# Altium PCB DTU_V1.0.PcbDoc (part 1 of 3) (continued)
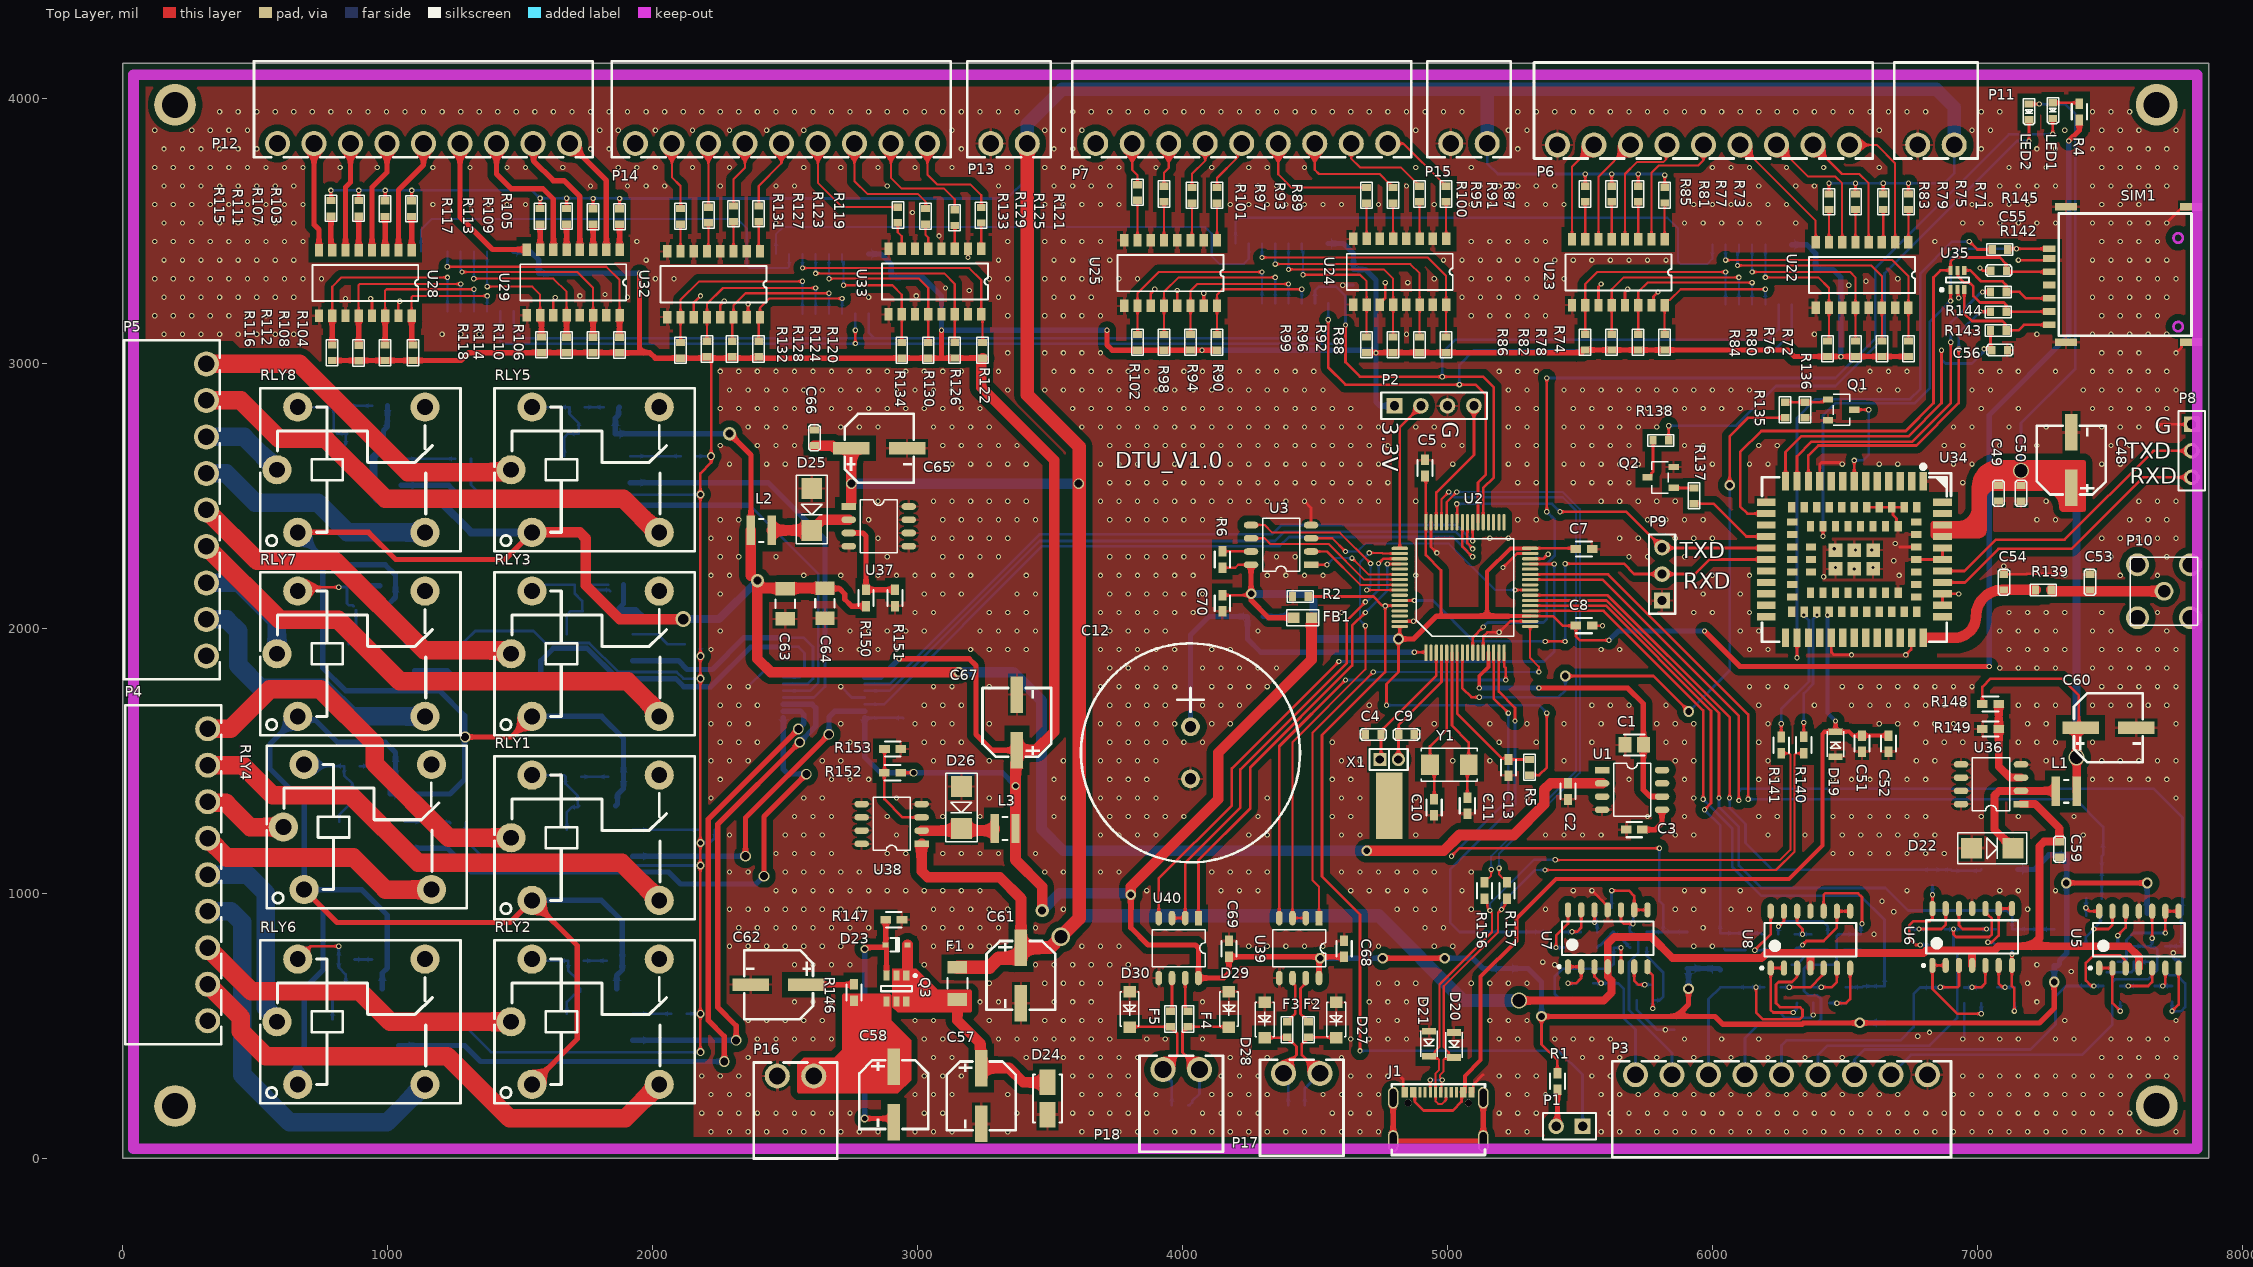
[diagram p0: Top Layer view]
## Components (designator, comment, footprint, x,y, rotation, side; value= is the part's Value field where it differs from the comment) (continued)
R131 "3.3K" 0603R 2105,3525.94 r90 top
R132 "5.1K" 0603R 2105,3020 r90 top
R133 "3.3K" 0603R 2925,3530.94 r90 top
R134 "5.1K" 0603R 2940,3020 r90 top
R135 "1K/1%" 0603R 6275,2795 r90 top value=1K
R136 "47K" 0603r 6350,2795 r90 top
R137 "1K/1%" 0603r 5930,2470.94 r90 top value=1K
R138 "1K/1%" 0603R 5835,2710 r180 top value=1K
R139 "0" 0603r 7220,2145 r0 top
R140 "0" RESC1608X055N_0603 6345,1560 r90 top
R141 "0" RESC1608X055N_0603 6260,1559.02 r90 top
R142 "10" 0603r 7109.06,3270 r180 top value=10R
R143 "10" 0603r 7109.06,3125 r180 top value=10R
R144 "10" 0603r 7109.06,3195 r180 top value=10R
R145 "10" 0603r 7115,3430 r180 top value=10R
R146 "100" RESC1608X055N_0603 2760,625 r90 top
R147 "16.9k/1%" RESC1608X055N_0603 2910,900 r180 top value=16.9k
R148 "2.4k/1%" RESC1608X055N_0603 7050,1715 r180 top
R149 "1k/1%" RESC1608X055N_0603 7050,1620 r0 top
R150 "4k/1%" RESC1608X055N_0603 2805,2115 r270 top
R151 "1k/1%" RESC1608X055N_0603 2915,2115 r90 top
R152 "1.69k/1%" RESC1608X055N_0603 2905,1455 r0 top
R153 "1k/1%" RESC1608X055N_0603 2905.98,1545 r180 top
R154 "120" RESC1608X055N_0603 4430,200 r180 bottom
R155 "120" RESC1608X055N_0603 3990,200 r180 bottom
R156 "0" RESC1608X055N_0603 5140,1010 r90 top
R157 "0" RESC1608X055N_0603 5225,1010 r90 top
RLY1 "SRD-05VDC-SL-C" RELAY-TH_SRD-XXVDC-XL-C 1745,1209.59 r0 top
RLY2 "SRD-05VDC-SL-C" RELAY-TH_SRD-XXVDC-XL-C 1745,515 r0 top
RLY3 "SRD-05VDC-SL-C" RELAY-TH_SRD-XXVDC-XL-C 1745,1904.19 r0 top
RLY4 "SRD-05VDC-SL-C" RELAY-TH_SRD-XXVDC-XL-C 885,1250 r0 top
RLY5 "SRD-05VDC-SL-C" RELAY-TH_SRD-XXVDC-XL-C 1745,2598.78 r0 top
RLY6 "SRD-05VDC-SL-C" RELAY-TH_SRD-XXVDC-XL-C 860.79,515 r0 top
RLY7 "SRD-05VDC-SL-C" RELAY-TH_SRD-XXVDC-XL-C 860.79,1904.19 r0 top
RLY8 "SRD-05VDC-SL-C" RELAY-TH_SRD-XXVDC-XL-C 860.79,2598.78 r0 top
SIM1 "XKNANO-113" "Nano SIM" 7271.42,3433.15 r90 top
U1 "REF5030ID" SO-8 5583.62,1465 r0 top
U2 "STM32F412RET6" LQFP-64 4918.43,1908.46 r90 top
U3 "W25Q128JVSIQ" so-8 4485,2240 r180 top
U5 "MC33079DG" SOP-14_N 7610,825 r90 top
U6 "MC33079DG" SOP-14_N 6980.71,835 r90 top
U7 "MC33079DG" SOP-14_N 5605,830 r90 top
U8 "MC33079DG" SOP-14_N 6370,825 r90 top
U13 "SN74HC595DBR" SSOP16 2550,1645 r0 bottom
U14 "AQY210S" sop4 1915,2650 r180 bottom
U15 "AQY210S" sop4 1925,1240 r180 bottom
U16 "AQY210S" sop4 1050,2640 r180 bottom
U17 "AQY210S" sop4 1065,1270 r180 bottom
U18 "AQY210S" sop4 1925,1978 r180 bottom
U19 "AQY210S" sop4 1040,525 r180 bottom
U20 "AQY210S" sop4 1102.09,1940 r180 bottom
U21 "AQY210S" sop4 1925,545 r180 bottom
U22 "TLP291-4" SOP16-T 6740,3458.03 r270 top
U23 "TLP291-4" SOP16-T 5820,3468.03 r270 top
U24 "TLP291-4" SOP16-T 4995,3470 r270 top
U25 "TLP291-4" SOP16-T 4130,3465 r270 top
U26 "74HC165D,653" SOP-16_L10.0-W3.9-P1.27-LS6.0-BL 6125,3335 r180 bottom
U27 "74HC165D,653" SOP-16_L10.0-W3.9-P1.27-LS6.0-BL 4375,3340 r180 bottom
U28 "TLP291-4" SOP16-T 1090,3428.03 r270 top
U29 "TLP291-4" SOP16-T 1875,3430 r270 top
U30 "74HC165D,653" SOP-16_L10.0-W3.9-P1.27-LS6.0-BL 1300,3310 r180 bottom
U31 "74HC165D,653" SOP-16_L10.0-W3.9-P1.27-LS6.0-BL 2640,3300 r180 bottom
U32 "TLP291-4" SOP16-T 2405,3423.03 r270 top
U33 "TLP291-4" SOP16-T 3240,3433.03 r270 top
U34 "EC800ECNNQ-N03-SNNSA" LCC-LGA-109_L17.7-W15.8-P1.10_MC661 6535.75,2260 r270 top
U35 "SMF05C" sc70-6l 6925,3315 r90 top
U36 "XL1509-5.0" so-8 7165,1336.62 r180 top
U37 "XL1509-5.0" so-8 2740,2460 r0 top
U38 "XL1509-5.0" so-8 3015,1186.62 r180 top
U39 "SIT3088" so-8 4515,906.38 r270 top
U40 "SIT3088" so-8 4060,906.38 r270 top
X1 "32768" A 4745,1505 r0 top
Y1 "X50328MSB2GI" CRAY_5032 4934.33,1485 r0 top

## Footprints (in the part's own frame and the unit in brackets; to place one, negate y for a bottom-side part, rotate by r counter-clockwise, add the part's x,y. Pads: shape width x height; smd on the part's side, far side on the other; paste and mask are expansions set on the pad)
0603C [mm]
  rect 0.7x0.85 smd: 1(0,0) 2(1.5,0)
  silkscreen extent -0.5,-0.55 2,0.55
0603c [mm]
  rect 0.7x0.85 smd: 1(0,0) 2(1.5,0)
  silkscreen extent -0.5,-0.55 2,0.55
0603LED [mm]
  rect 0.7x0.85 smd: 1(0,0) 2(1.5,0)
  silkscreen extent -0.5,-0.55 2,0.55
0603led [mm]
  rect 0.7x0.85 smd: 1(0,0) 2(1.5,0)
  silkscreen extent -0.5,-0.55 2,0.55
0603R [mm]
  rect 0.7x0.85 smd: 1(0,0) 2(1.5,0)
  silkscreen extent -0.5,-0.55 2,0.55
0603r [mm]
  rect 0.7x0.85 smd: 1(0,0) 2(1.5,0)
  silkscreen extent -0.5,-0.55 2,0.55
A [mil]
  round 50 hole 32: 1(70,0)
  rect 50x50 hole 32: 2(0,0)
  rect 100x250 smd: 3(34.37,-175)
  silkscreen extent -40,-40 105,40
CAP-SMD_BD6.3-L6.5-W6.5-LS7.0-FD [mm]
  rect 3.5x1.2 smd: 1(-2.67,0) 2(2.67,0)
  silkscreen extent -3.3,-3.3 3.3,3.3
CAP-TH_BD21.0-P5.00-D0.8_CENXXX-CF [mm]
  round 1.8 hole 1.1 paste-2539.97 mask+0.05: 1(-2.5,0) 2(2.5,0)
  silkscreen extent -10.5,-10.5 10.5,10.5
CAPC1608X092N_0603 [mil] "Chip Capacitor, 0603"
  round 10 on Mech3: 0(0,0)
  rect 40x30 smd: 1(-30.98,0) 2(30,0)
  silkscreen extent -30,-29 30,29, body extent -31,-16 31,16, height 36
CAPC2012X127N_0805 [mm] "Chip Capacitor, 0805"
  round 0.254 on Mech3: 0(0,0)
  rect 1.25x1.5 smd: 1(-0.875,0) 2(0.875,0)
  silkscreen extent -1,-1 1,1, body extent -1,-0.6 1,0.6, height 1.27
CAPC3216X156N_1206 [mm] "Chip Capacitor, 1206"
  round 0.254 on Mech3: 0(0,0)
  rect 1.3x1.85 smd: 1(-1.45,0) 2(1.45,0)
  silkscreen extent -0.4,-0.92 0.4,0.93, body extent -1.6,-0.8 1.6,0.8, height 1.52
CONN-TH_9P-P3.50_KF2EDGR-3.5-9P [mm]
  round 2.4 hole 1.6: 1(-14,0) 2(-10.5,0) 3(-7,0) 4(-3.5,0) 5(0,0) 6(3.5,0) 7(7,0) 8(10.5,0) 9(14,0)
  silkscreen extent -16.25,-7.9 16.25,1.3
CONN-TH_P3.50_KF2EDGR-3.5-2P [mm]
  round 2.4 hole 1.6: 1(-1.75,0) 2(1.75,0)
  silkscreen extent -4,-7.9 4,1.3
CRAY_5032 [mm]
  rect 1.7x2 smd: 1(0,0) 2(3.7,0)
  silkscreen extent -0.86,-1.6 4.55,1.6
DIOD-SOD323-2_V [mm] "SOD-323, 2-Leads, Body 1.7x1.3mm, Lead Span 2.5mm"
  rect 0.59x0.45 smd: 1(-1.055,0) 2(1.055,0)
  silkscreen extent -0.56,-0.65 0.26,0.65, body extent -1.21,-0.65 1.31,0.65, height 1.13
DO-213AB/LL34/MiniMELF [mm]
  rect 0.9x1.5 smd: 1(1.75,0) 2(-1.75,0)
  silkscreen extent -1.8,-1.08 1.8,1.08
FBC0603 [mm]
  rect 1.1x1 smd: 1(0,0) 2(1.7,0)
  silkscreen extent -0.7,-0.75 2.4,0.75
HDR1X2 [mm] "Connector; Header; 2 Position"
  rect 1.5x1.5 hole 0.9: 1(0,0)
  round 1.5 hole 0.9: 2(2.54,0)
  silkscreen extent -1.27,-1.27 3.81,1.27
HDR1X3 [mm] "Connector; Header; 3 Position"
  rect 1.5x1.5 hole 0.9: 1(0,0)
  round 1.5 hole 0.9: 2(2.54,0) 3(5.08,0)
  silkscreen extent -1.27,-1.27 6.35,1.27
HDR1X4 [mm] "Connector; Header; 4 Position"
  rect 1.5x1.5 hole 0.9: 1(0,0)
  round 1.5 hole 0.9: 2(2.54,0) 3(5.08,0) 4(7.62,0)
  silkscreen extent -1.27,-1.27 8.89,1.27
KH-SMA-KE-Z [mm]
  round 1.8 hole 1.2: 1(0,0)
  round 2.2 hole 1.5: 2(-2.54,2.54) 3(2.54,2.54) 4(2.54,-2.54) 5(-2.54,-2.54)
  silkscreen extent -3.25,-3.25 3.25,3.25, body extent -3.25,-3.25 3.26,3.25, height 9.5
LCC-LGA-109_L17.7-W15.8-P1.10_MC661 [mm]
  rect 1.8x0.7 smd: 1(-7.5,6.6) 2(-7.5,5.5) 3(-7.5,4.4) 4(-7.5,3.3) 5(-7.5,2.2) 6(-7.5,1.1) 7(-7.5,0) 8(-7.5,-1.1) 9(-7.5,-2.2) 10(-7.5,-3.3) 11(-7.5,-4.4) 12(-7.5,-5.5) 13(-7.5,-6.6) 23(7.5,-6.6) 24(7.5,-5.5) 25(7.5,-4.4) 26(7.5,-3.3) 27(7.5,-2.2) 28(7.5,-1.1) 29(7.5,0) 30(7.5,1.1) 31(7.5,2.2) 32(7.5,3.3) 33(7.5,4.4) 34(7.5,5.5) 35(7.5,6.6)
  rect 0.7x1.8 smd: 14(-4.4,-8.45) 15(-3.3,-8.45) 16(-2.2,-8.45) 17(-1.1,-8.45) 18(0,-8.45) 19(1.1,-8.45) 20(2.2,-8.45) 21(3.3,-8.45) 22(4.4,-8.45) 36(4.4,8.45) 37(3.3,8.45) 38(2.2,8.45) 39(1.1,8.45) 40(0,8.45) 41(-1.1,8.45) 42(-2.2,8.45) 43(-3.3,8.45) 44(-4.4,8.45) 95(-5.5,-8.45) 96(5.5,-8.45) 97(5.5,8.45) 98(-5.5,8.45)
  rect 1x0.7 smd: 45(-5,4.8) 46(-5,3.6) 47(-5,2.4) 48(-5,1.2) 49(-5,0) 50(-5,-1.2) 51(-5,-2.4) 52(-5,-3.6) 53(-5,-4.8) 59(5,-4.8) 60(5,-3.6) 61(5,-2.4) 62(5,-1.2) 63(5,0) 64(5,1.2) 65(5,2.4) 66(5,3.6) 67(5,4.8) 73(-3.2,4.2) 74(-3.2,3) 75(-3.2,1.8) 76(-3.2,0.6) 77(-3.2,-0.6) 78(-3.2,-1.8) 79(-3.2,-3) 80(-3.2,-4.2) 81(3.2,-4.2) 82(3.2,-3) 83(3.2,-1.8) 84(3.2,-0.6) 85(3.2,0.6) 86(3.2,1.8) 87(3.2,3) 88(3.2,4.2) 99(-5,6) 100(-5,-6) 103(5,-6) 104(5,6)
  rect 0.7x1 smd: 54(-2.4,-5.95) 55(-1.2,-5.95) 56(0,-5.95) 57(1.2,-5.95) 58(2.4,-5.95) 68(2.4,5.95) 69(1.2,5.95) 70(0,5.95) 71(-1.2,5.95) 72(-2.4,5.95) 101(-3.6,-5.95) 102(3.6,-5.95) 105(3.6,5.95) 106(-3.6,5.95) 107(-1.2,-4.15) 108(0,-4.15) 109(1.2,-4.15)
  rect 1.3x1.3 smd: 89(-0.9,1.8) 90(-0.9,0) 91(-0.9,-1.8) 92(0.9,-1.8) 93(0.9,0) 94(0.9,1.8)
  silkscreen extent -9.09,-8.85 7.9,9.27
LFUS-DO-214AC-A-2_N [mm] "Molded Diode, 2-Leads, Body 4.6x2.79mm, IPC Medium Density"
  rect 2.45x1.55 smd: 1(-1.55,0) 2(1.55,0)
  silkscreen extent -2.3,-1.4 2.3,1.4, body extent -2.52,-1.4 2.52,1.4, height 2.29
LQFP-64 [mm]
  rect 1.6x0.3 smd: 1(0,0)
  oval 1.6x0.3 smd: 2(0,-0.5) 3(0,-1) 4(0,-1.5) 5(0,-2) 6(0,-2.5) 7(0,-3) 8(0,-3.5) 9(0,-4) 10(0,-4.5) 11(0,-5) 12(0,-5.5) 13(0,-6) 14(0,-6.5) 15(0,-7) 16(0,-7.5) 33(12.5,-7.5) 34(12.5,-7) 35(12.5,-6.5) 36(12.5,-6) 37(12.5,-5.5) 38(12.5,-5) 39(12.5,-4.5) 40(12.5,-4) 41(12.5,-3.5) 42(12.5,-3) 43(12.5,-2.5) 44(12.5,-2) 45(12.5,-1.5) 46(12.5,-1) 47(12.5,-0.5) 48(12.5,0)
  oval 0.3x1.6 smd: 17(2.5,-10) 18(3,-10) 19(3.5,-10) 20(4,-10) 21(4.5,-10) 22(5,-10) 23(5.5,-10) 24(6,-10) 25(6.5,-10) 26(7,-10) 27(7.5,-10) 28(8,-10) 29(8.5,-10) 30(9,-10) 31(9.5,-10) 32(10,-10) 49(10,2.5) 50(9.5,2.5) 51(9,2.5) 52(8.5,2.5) 53(8,2.5) 54(7.5,2.5) 55(7,2.5) 56(6.5,2.5) 57(6,2.5) 58(5.5,2.5) 59(5,2.5) 60(4.5,2.5) 61(4,2.5) 62(3.5,2.5) 63(3,2.5) 64(2.5,2.5)
  silkscreen extent 1.59,-8.41 10.91,0.91
"Nano SIM" [mm]
  rect 0.7x2.1 smd: 0(-8.97,-1.615) 0(-8.97,-13.615) 0(4.02,-1.615) 0(4.02,-13.615)
  rect 0.65x1.23 smd: 1(-2.22,0) 2(-4.76,0) 3(-7.3,0) 5(-0.95,0) 6(-3.49,0) 7(-6.03,0) 8(0,0)
  Keep-Out Layer circle w0.254: c-7.47,-12.365 r0.45
  Keep-Out Layer circle w0.254: c1.03,-12.365 r0.45
  silkscreen extent -8.33,-13.64 3.38,-0.91
PULS-BDCD00252012_V [mm] "SMD, 2 Leads, Body 2.5 x 2.0mm"
  rect 0.8x2.8 smd: 1(-1,0) 2(1,0)
  silkscreen extent -0.23,-1.1 0.23,1.1, body extent -1.25,-1 1.25,1, height 1.2
RELAY-TH_SRD-XXVDC-XL-C [mil]
  round 110 hole 60: 1(-200.79,-236.22) 2(279.53,-236.2) 3(279.53,236.2) 4(-200.79,236.22) 5(-279.53,0)
  silkscreen extent -342,-307 413,307
RESC1608X055N_0603 [mil] "Chip Resistor, 0603"
  round 10 on Mech3: 0(0,0)
  rect 40x30 smd: 1(-30.98,0) 2(30.98,0)
  silkscreen extent -30,-29 30,29, body extent -31,-16 31,16, height 22
RESC3216X070N_1206 [mm] "Chip Resistor, 1206"
  round 0.254 on Mech3: 0(0,0)
  rect 1.2x1.85 smd: 1(-1.55,0) 2(1.55,0)
  silkscreen extent -0.5,-0.95 0.5,0.95, body extent -1.55,-0.75 1.55,0.75, height 0.7
sc70-6l [mm]
  rect 0.85x0.4 smd: 1(-0.925,0.65) 2(-0.925,0) 3(-0.925,-0.65) 4(0.925,-0.65) 5(0.925,0) 6(0.925,0.65)
  silkscreen extent -1.09,-1.1 0.25,1.65
SMA [mm]
  rect 2x2 smd: 1(0,0) 2(4,0)
  silkscreen extent -1.3,-1.5 5.3,1.5
SO-8 [mil]
  rect 55x25 smd: 1(0,0)
  oval 55x25 smd: 2(0,-50) 3(0,-100) 4(0,-150) 5(226.38,-150) 6(226.38,-100) 7(226.38,-50) 8(226.38,0)
  silkscreen extent 43,-175 183,25
so-8 [mil]
  rect 55x25 smd: 1(0,0)
  oval 55x25 smd: 2(0,-50) 3(0,-100) 4(0,-150) 5(226.38,-150) 6(226.38,-100) 7(226.38,-50) 8(226.38,0)
  silkscreen extent 43,-175 183,25
SOD123 [mm]
  rect 1.1x1.2 smd: 1(0,0) 2(3.385,0)
  silkscreen extent 0,-0.9 3.3,0.9
SOD323 [mm]
  rect 0.65x1.35 smd: 1(0,0) 2(2.4,0)
  silkscreen extent -0.03,-0.8 2.44,0.8
sop4 [mil]
  rect 80x30 smd: 1(0,0) 2(0,-100) 3(250,-100) 4(249,0)
  silkscreen extent 76,-125 176,21
SOP16-T [mm]
  rect 1.2x0.8 smd: 1(0,0) 2(0,-1.27) 3(0,-2.54) 4(0,-3.81) 5(0,-5.08) 6(0,-6.35) 7(0,-7.62) 8(0,-8.89) 9(6.3,-8.89) 10(6.3,-7.62) 11(6.3,-6.35) 12(6.3,-5.08) 13(6.3,-3.81) 14(6.3,-2.54) 15(6.3,-1.27) 16(6.3,0)
  silkscreen extent 1.41,-9.53 4.89,0.64
SOP-14_N [mm]
  oval 1.45x0.6 smd: 1(-2.725,3.81) 2(-2.725,2.54) 3(-2.725,1.27) 4(-2.725,0) 5(-2.725,-1.27) 6(-2.725,-2.54) 7(-2.725,-3.81) 8(2.725,-3.81) 9(2.725,-2.54) 10(2.725,-1.27) 11(2.725,0) 12(2.725,1.27) 13(2.725,2.54) 14(2.725,3.81)
  silkscreen extent -2.85,-4.4 1.6,4.78, body extent -3,-4.4 3,4.4, height 1.75
SOP-16_L10.0-W3.9-P1.27-LS6.0-BL [mm]
  oval 0.56x1.745 smd: 1(-4.445,-2.872) 2(-3.175,-2.872) 3(-1.905,-2.872) 4(-0.635,-2.872) 5(0.635,-2.872) 6(1.905,-2.872) 7(3.175,-2.872) 8(4.445,-2.872) 9(4.445,2.872) 10(3.175,2.872) 11(1.905,2.872) 12(0.635,2.872) 13(-0.635,2.872) 14(-1.905,2.872) 15(-3.175,2.872) 16(-4.445,2.872)
  silkscreen extent -5.33,-3.02 5.08,1.77
SOT23-3 [mm]
  rect 1x0.6 smd: 1(0,0) 2(0,2) 3(-2.5,1)
  silkscreen extent -2.1,-0.5 -0.5,2.5
SSOP16 [mm] "SOP, 16-Leads, Body 5.1x4.5mm (max), Pitch 0.65mm, IPC Medium Density"
  rect 2x0.32 smd: 1(-1.448,-0.432)
  oval 2x0.32 smd: 2(-1.448,-1.082) 3(-1.448,-1.732) 4(-1.448,-2.382) 5(-1.448,-3.032) 6(-1.448,-3.682) 7(-1.448,-4.332) 8(-1.448,-4.982) 9(6.352,-4.982) 10(6.352,-4.332) 11(6.352,-3.682) 12(6.352,-3.032) 13(6.352,-2.382) 14(6.352,-1.732) 15(6.352,-1.082) 16(6.352,-0.432)
  silkscreen extent -2.88,-5.9 7.87,0.42
TYPEC_16P [mm]
  oval 1x2.1 hole 0.65 slot 1.7 at 90 deg: 1(-4.32,-0.391) 1(-4.32,3.759) 1(4.32,-0.391) 1(4.32,3.759)
  round 0.67 hole 0.67: 2(-2.89,3.259) 2(2.89,3.259)
  rect 0.3x1 smd: A1(-3.05,4.293) A4(-2.25,4.293) A5(-1.25,4.293) A6(-0.25,4.293) A7(0.25,4.293) A8(1.25,4.293) A9(2.25,4.293) A12(3.35,4.293) B1(3.05,4.293) B4(2.55,4.293) B5(1.75,4.293) B6(0.75,4.293) B7(-0.75,4.293) B8(-1.75,4.293) B9(-2.55,4.293) B12(-3.35,4.293)
  silkscreen extent -4.44,-1.73 4.49,5.07
VISH-TSOP-6_V [mm] "SOP, 6-Leads, Body 3.05x1.5mm, Pitch 0.95mm"
  rect 0.95x0.6 smd: 1(-1.25,0.95) 2(-1.25,0) 3(-1.25,-0.95) 4(1.25,-0.95) 5(1.25,0) 6(1.25,0.95)
  silkscreen extent -1.37,-1.5 0.25,1.93, body extent -1.35,-1.5 1.35,1.5, height 1

## Part data
C1: library part Cap, Package=0805, PartNumber=CL21A106KBYQNNE
C2 C3 C13 C51: library part CAP, Package=0603, PartNumber=CL10A105KB8NNNC
C4 C9 C14 C15 C16 C17 C18 C19 C20 C21 C22 C23 C24 C25 C26 C27 C28 C29 C30 C33 C44 C45 C46 C47 C49 C50 C53 C54 C55 C56 C59 C66: library part Cap, "Capacitor"
C5 C6 C7 C8 C52 C70: library part CAP, Package=0603, PartNumber=CC0603KRX7R9BB104
C10 C11: library part CAP, Package=0603, PartNumber=CC0603JRNPO9BN200
C12: library part CAP2, "电解电容"
C31 C32 C34 C35 C36 C37 C38 C39: library part CAP, "Capacitor"
C48 C57 C58 C60 C61 C62 C65 C67: library part "Cap Pol3", "Polarized Capacitor (Surface Mount)"
C63: library part Capacitor_1206, Package=0603, PartNumber=GRM31CR61E476ME44L, Voltage Rating=[voltage]
C64: library part Capacitor_1206, Package=1206, PartNumber=GRM31CR61E476ME44L, Voltage Rating=[voltage]
C68 C69: library part Capacitor_0603, "Capacitor, MLCC", Package=0603, PartNumber=C0603C104M5RACTU, Voltage Rating=[voltage]
D1: library part DIODE
D2 D3 D4 D5 D6 D7 D8 D9 D10 D11 D12 D13 D14 D15 D16 D17: "VISHAY,LL4148,圆柱体MiniMELF100V/2A,ROHS", 制造商=VISHAY, 名称=快速开关二极管, 版本=V1.00, 物料编号=APLLY
D19 D20 D21 D27 D28 D29 D30: library part "DIODE S"
  D19 D20 D21: PartNumber=CESDB5V0D3
D22 D25 D26: library part FSV340AF, "Schottky Barrier Rectifier, 40 V, 2-Pin SMA-FL, Pb-Free, Tape and Reel", PartNumber=B540C-13-F
D23: PartNumber=BZT52C12S, Voltage Temperature Coefficient=0.25mV/C, Voltage Tolerance=5%, Vz - Zener Voltage=12V, Zener Current=5mA, Width=1.4mm, Zz - Zener Impedance=40Ohms
D24: library part SMAJ12CA, PartNumber=SMAJ33CA
F1: library part "Fuse 1", PartNumber=BSMD1206-050-30V
F2 F3 F4 F5 R57 R58 R61 R62 R65 R66 R69 R70: library part RES2
FB1: PartNumber=BLM18AG601SN1D
J1: library part "TYPE C_16P", PartNumber=TYPEC-304J-BCP16
L1 L2 L3: library part BDCD002520122R2MS1, PartNumber=BDCD002520122R2MS1
LED1: library part LED, Package=0603
P1: "Header, 2-Pin"
P2: "Header, 4-Pin"
P3 P4 P5 P6 P7 P12 P14: library part "Header 9", "Header, 9-Pin"
P8 P9: "Header, 3-Pin"
P10: "Header, 5-Pin"
P11 P13 P15 P16 P17 P18: library part "Header 2", "Header, 2-Pin"
Q1 Q2: library part NPN_MMBT3904
Q3: PartNumber=PMN50XP-VB
R1 R4 R6 R140 R141 R146 R148 R149 R150 R151 R152 R153 R156 R157: library part R, Package=0603, PartNumber=RC0603FR-071KL
R2 R3 R5: library part RESISTOR_0
R7 R8 R9 R10 R11 R12 R13 R14 R15 R16 R17 R18 R19 R20 R21 R22 R23 R24 R25 R26 R27 R28 R29 R30 R31 R32 R33 R34 R35 R36 R37 R38 R39 R40 R41 R42 R43 R44 R45 R46 R47 R48 R49 R50 R51 R52 R53 R54 R55 R56 R59 R60 R63 R64 R67 R68 R71 R72 R73 R74 R75 R76 R77 R78 R79 R80 R81 R82 R83 R84 R85 R86 R87 R88 R89 R90 R91 R92 R93 R94 R95 R96 R97 R98 R99 R100 R101 R102 R103 R104 R105 R106 R107 R108 R109 R110 R111 R112 R113 R114 R115 R116 R117 R118 R119 R120 R121 R122 R123 R124 R125 R126 R127 R128 R129 R130 R131 R132 R133 R134: library part Res0805M
R135 R136 R137 R138 R139: library part RES0603, 制造商=三星/YAGEO, 参数值=1.00E+04, 器件等级=——, 工作温度="–55°C to 155°C", 序号=109, 物料主编码(PN)=150000040, 物料名称=贴片电阻, 物料描述=RES,贴片电阻,0603,10k,±1%,1/10W,1.6X0.8X0.45mm,RC1608F103CS/RC0603FR-0710KL, 物料类型=表贴电阻, 精度=±1%, 规格型号(完整型号)=RC1608F103CS/RC0603FR-0710KL
R142 R143 R144 R145: library part Res2, "Resistor"
R147: library part Resistor_0603, Package=0603, PartNumber=FRC0603F1692TS
R154 R155: library part Resistor_0603, "Resistor, Standard", Package=0603, PartNumber=RC0603FR-1075KL
SIM1: library part "nano sim"
U1: library part REF5030, PartNumber=REF5030IDR
U3: library part XL1509-5.0
U5 U6 U7 U8: library part MAX908EPD, "Quad High-speed, Ultra Low-power, Single-Supply TTL comparator"
U13: library part 74HC595
U14 U15 U16 U17 U18 U19 U20 U21: library part Optoisolator1, "4-Pin Phototransistor Optocoupler"
U22 U23 U24 U25 U28 U29 U32 U33: library part TLP281-4
U39 U40: library part SN65HVD06D
X1: library part XTAL, "Crystal Oscillator"
Y1: library part XTAL, PartNumber=X50328MSB2GI
LED2: 制造商=Everlight, 器件等级=——, 工作温度="–40°C to 85°C", 序号=33, 物料主编码(PN)=100000032, 物料名称=绿色LED, 物料描述=Other,LED,绿色,0603,1.6X0.8X0.4mm,19-217/G7C-AN1P2/3T, 物料类型=特殊二极管, 规格型号(完整型号)=19-217/G7C-AN1P2/3T

## Free pads (board coordinates)
  round 157.48 hole 98.43: 0(196.85,196.85) 0(196.85,3976.38) 0(7677.17,196.85) 0(7677.17,3976.38)

## Via types
v1: diameter 20, hole 12, Top Layer to Bottom Layer, tented both sides, 1987 vias
v2: diameter 40, hole 25, Top Layer to Bottom Layer, tented both sides, 17 vias
v3: diameter 30, hole 20, Top Layer to Bottom Layer, tented both sides, 12 vias
v4: diameter 40, hole 30, Top Layer to Bottom Layer, tented both sides, 11 vias
v5: diameter 50, hole 30, Top Layer to Bottom Layer, tented both sides, 3 vias
v6: diameter 60, hole 50, Top Layer to Bottom Layer, tented both sides, 3 vias
v7: diameter 60, hole 40, Top Layer to Bottom Layer, tented both sides, 1 vias
v8: diameter 70, hole 50, Top Layer to Bottom Layer, tented both sides, 1 vias

## Nets (pads, with @x,y where several pads share a name; then routed paths per layer and width w, separated by ;. In a path a pad name is that pad's centre, name@x,y a point inside that pad or via, vN(x,y) a via of type N, cw(c..) or ccw(c..) an arc to the next point about the centre after c; other vN are vias at no path point)
24V_FO: C59.2 C61.1 C65.1 C66.2 F1.2 P11.1 P13.1 P15.1 R71.2 R73.2 R75.2 R77.2 R79.2 R81.2 R83.2 R85.2 R103.2 R105.2 R107.2 R109.2 R111.2 R113.2 R115.2 R117.2 U5.4 U6.4 U7.4 U8.4 U36.1 U37.1 U38.1 | length 19695.5
  Top Layer w10: R115.2@785,3615 v1(785,3653.44) ; R111.2@890,3615 v1(890,3653.44) ; R107.2@990,3615 v1(990,3653.44) ; R103.2@1090,3615 v1(1090,3653.44) ; R117.2@1575,3585 v1(1575,3623.44) ; R113.2@1675,3585 v1(1675,3623.44) ; R109.2@1775,3584.06 v1(1775,3622.49) ; R105.2@1875,3584.06 v1(1875,3622.49) ; R85.2@5520,3669.06 v1(5520,3715) ; R81.2@5620,3669.06 v1(5620,3715) ; R77.2@5720,3669.06 v1(5720,3715) ; R73.2@5820,3665 v1(5820,3710.94) ; R83.2@6440,3640 v1(6440,3680) ; R79.2@6540,3640 v1(6540,3680) ; R75.2@6645,3640 v1(6645,3680) ; R71.2@6740,3640 v1(6740,3680)
  Top Layer w30: v6(5270,595) 5590,595 5620,625 5620,670 5605,685 U7.4@5605,722.72 5605,810 5629.93,834.93 5770.07,834.93 5850,755 6185,755 6205,775 6370.76,775 ; U8.4@6370,717.72 6370,774.24 6370.76,775 ; U6.4@6980.71,727.72 6980.71,778.5 6987.21,785 ; U36.1@7165,1336.62 7218.38,1336.62 7310,1245 C59.2@7310,1195 7252.57,1195 7235,1177.43 7235,830.28 7204.72,800 ; U5.4@7610,717.72 7610,760 7570,800 7204.72,800 ; 6370.76,775 6797.43,775 6807.43,785 6987.21,785 ; 6987.21,785 7065,785 7080,800 7204.72,800
  Top Layer w40: C66.2@2610,2690 2677.55,2690 2683.93,2683.63 2746.26,2683.63 C65.1@2749.88,2680 v4(2749.88,2546.03) 2749.88,2475.12 ; U38.1@3015,1186.62 3015,1083.43 3038.43,1060 3310,1060 3390,980 C61.1@3390,795.12
  Top Layer w50: F1.2@3150,721.02 3271.02,721.02 3304.99,754.99 3388.63,754.99 3390,756.37 C61.1@3390,795.12 3500,795.12 v8(3541.04,836.16) 3610,905.12 3610,2685.83 3413.9,2881.93 P13.1@3413.9,3830
  Bottom Layer w10: v1(785,3653.44) v1(890,3653.44) v1(990,3653.44) v1(1090,3653.44) 1545,3653.44 v1(1575,3623.44) v1(1675,3623.44) 1874.06,3623.44 v1(1875,3622.49) 3337.49,3622.49 3413.9,3698.9 P13.1@3413.9,3830 ; P15.1@5150,3830 5150,3755 5190,3715 v1(5520,3715) v1(5620,3715) v1(5720,3715) 5813.24,3715 5817.29,3710.94 v1(5820,3710.94) ; v1(6440,3680) v1(6540,3680) v1(6645,3680) v1(6740,3680) 6875,3680 6912.8,3717.8 P11.1@6912.8,3825
  Bottom Layer w40: v4(2749.88,2546.03) v4(3607.76,2546.03)
  Bottom Layer w50: P13.1@3413.9,3830 3413.9,3903.9 3545,4035 5139.93,4035 ; v8(3541.04,836.16) 3619.88,915 4739.92,915 5059.92,595 v6(5270,595) ; P15.1@5150,3830 5150,4024.93 5139.93,4035 ; P11.1@6912.8,3825 6912.8,3967.2 6845,4035 5139.93,4035
485_N: F2.2 U39.7 | length 187.4
  Top Layer w10: U39.7@4465,680 4465,660.94 4458.05,654 4458.05,653.05 4445,640 4445,545 4463.27,526.73 4463.27,523.78 4472.05,515 F2.2@4475,515
485_P: F3.2 U39.6 | length 183.3
  Top Layer w10: F3.2@4395,515 4397.95,515 4406.73,523.78 4406.73,526.73 4425,545 4425,651.64 4415,661.64 U39.6@4415,680
485A_EN: U2.50 U39.2 U39.3 | length 1681.4
  Top Layer w8: U39.2@4465,906.38 U39.3@4415,906.38 4415,1570 4690,1845 v1(4690,2010) ; v1(4705,2285) 4752.93,2285 4755.45,2282.48 U2.50@4820,2282.48
  Bottom Layer w8: v1(4690,2010) 4670,2030 4670,2250 v1(4705,2285)
485A_RXD: U2.17 U39.1 | length 1844.6
  Top Layer w8: U39.1@4515,906.38 4515,1025 4490.16,1049.84 4490.16,1605.16 v1(4720,1835) ; U2.17@5312.13,2006.89 5312.13,1887.87 5345,1855 v1(5345,1835)
  Bottom Layer w8: v1(4720,1835) v1(5345,1835)
485A_TXD: U2.16 U39.4 | length 1713.2
  Top Layer w10: U39.4@4365,906.38 4365,1555 v1(4615,1805) ; U2.16@5213.7,1908.46 5213.7,1856.3 5220,1850 v1(5220,1805)
  Bottom Layer w10: v1(4615,1805) v1(5220,1805)
485B_EN: U2.51 U40.2 U40.3 | length 1781.6
  Top Layer w10: U40.3@3960,906.38 U40.2@4010,906.38 4010,1115 4217.87,1322.87 4217.87,1467.87 4620,1870 4620,2030 v1(4690,2100) ; v1(4740,2245) 4758.11,2263.11 4781.39,2263.11 4781.71,2262.8 U2.51@4820,2262.8
  Bottom Layer w10: v1(4690,2100) 4692.71,2100 4697.71,2105 4700,2105 4740,2145 v1(4740,2245)
485B_N: F4.2 U40.7 | length 129.9
  Top Layer w10: U40.7@4010,680 4010,563.78 4018.78,555 F4.2@4020,555
485B_P: F5.2 U40.6 | length 127.1
  Top Layer w10: F5.2@3955,555 3960,560 U40.6@3960,680
485B_RXD: U2.52 U40.1 | length 1679
  Top Layer w10: U40.1@4060,906.38 4060,1125 4255.55,1320.55 4255.55,1475.55 4640,1860 4640,2010 v1(4690,2060) ; v1(4773.11,2243.11) U2.52@4820,2243.11
  Bottom Layer w10: v1(4690,2060) 4773.11,2143.11 v1(4773.11,2243.11)
485B_TXD: U2.29 U40.4 | length 2500.2
  Top Layer w10: U40.4@3910,906.38 3910,1055 4186.29,1331.29 4186.29,1471.29 v1(4590,1875) ; U2.29@5312.13,2243.11 v1(5403.11,2243.11)
  Bottom Layer w10: v1(4590,1875) 5365,1875 5403.11,1913.11 v1(5403.11,2243.11)
4856_N: D27.2 F2.1 P17.2 R154.1 | length 425.9
  Top Layer w10: P17.2@4518.9,320 4450,388.9 4450,430.94 4463.27,444.21 4463.27,447.17 4472.05,455.94 F2.1@4475,455.94 4579.06,455.94 D27.2@4580,455
  Bottom Layer w10: R154.1@4460.98,200 4460.98,262.09 P17.2@4518.9,320
4856_P: D28.2 F3.1 P17.1 R154.2 | length 385.2
  Top Layer w10: D28.2@4310,455 4394.06,455 F3.1@4395,455.94 4397.95,455.94 4406.73,447.17 4406.73,444.21 4430,420.94 4430,390 4381.1,341.1 P17.1@4381.1,320
  Bottom Layer w10: P17.1@4381.1,320 4381.1,297.14 4399.02,279.23 R154.2@4399.02,200
4857_N: D29.2 F4.1 P18.2 R155.1 | length 508.5
  Top Layer w10: P18.2@4063.9,335 4000,398.9 4000,475.94 4008.27,484.21 4008.27,487.17 4017.05,495.94 F4.1@4020,495.94 4174.06,495.94 D29.2@4175,495
  Bottom Layer w10: R155.1@4020.98,200 4025.98,200 4035.98,210 4035.98,215 4063.9,242.91 P18.2@4063.9,335
4857_P: D30.2 F5.1 P18.1 R155.2 | length 499.4
  Top Layer w10: D30.2@3800,495 3800.94,495.94 F5.1@3955,495.94 3957.95,495.94 3966.73,487.17 3966.73,484.21 3980,470.94 3980,388.9 P18.1@3926.1,335
  Bottom Layer w10: P18.1@3926.1,335 3926.1,321.08 3959.02,288.17 R155.2@3959.02,200
AI0: C19.2 P3.1 R24.1 U7.3 | length 540
  Top Layer w10: U7.3@5555,722.72 5555,685 v1(5580,660)
  Bottom Layer w10: C19.2@5550,660 R24.1@5615,660 5645,660 5665,640 5665,530 5710,485 P3.1@5710,315
AI1: C23.2 P3.2 R36.1 U7.10 | length 818.3
  Top Layer w10: U7.10@5655,937.28 5655,895 5665,885 v1(5700,885)
  Bottom Layer w10: v1(5700,885) 5688.02,873.02 5688.02,856.03 C23.2@5690,854.06 5692.95,854.06 5701.73,845.28 5701.73,842.32 5720,824.06 5720,775 5685,740 5685,560 5847.8,397.2 P3.2@5847.8,315 ; v1@5700.94,885 R36.1@5700.94,940
AI2: C27.2 P3.3 R48.1 U8.3 | length 1129.8
  Top Layer w10: v1(6165,645) 6165,550 6190,525 6330,525 6340,535 6340,560 6330,570 6255,570 6240,585 6240,655 6250,665 6300,665 6319.03,684.03 6319.03,716.75 U8.3@6320,717.72
  Bottom Layer w10: P3.3@5985.59,315 5985.59,600.59 6030,645 C27.2@6135,645 R48.1@6196.43,645
AI3: C29.2 P3.4 R54.1 U8.10 | length 1372.4
  Top Layer w10: U8.10@6420,932.28 6420,994.14 6425.86,1000 6550,1000 6565,985 v1(6565,885)
  Bottom Layer w10: P3.4@6123.39,315 6123.39,453.39 6180,510 6395,510 6410,525 6410,601.31 6401.59,609.72 6400.28,609.72 6395,615 6362.04,615 6346.02,631.02 6346.02,716.02 6360,730 6455,730 6470,745 6470,839.14 6475.86,845 R54.1@6497.86,845 C29.2@6560,845 6560,877.29 6565,882.29 v1(6565,885)
AI4: C15.2 P3.5 R12.1 U6.3 | length 1054.2
  Top Layer w10: v1(6860,645) 6924.86,645 6930.71,650.86 U6.3@6930.71,727.72
  Bottom Layer w10: P3.5@6261.18,315 6261.18,426.18 6280,445 6710,445 6760,495 6760,620 6784.06,644.06 R12.1@6890.71,644.06
AI5: C17.2 P3.6 R19.1 U6.10 | length 1342.2
  Top Layer w10: v1(6910,865) 6910,845 6920,835 7045,835 7055,845 7055,905 7041.26,918.74 ; U6.10@7030.71,942.28 7030.71,929.24 7041.21,918.74
  Bottom Layer w10: P3.6@6398.98,315 6398.98,388.98 6435,425 6820,425 6923.98,528.98 6923.98,777.79 6910,791.77 6910,863.7 v1@6909.64,864.06 ; R19.1@6877.86,864.06 v1@6909.64,864.06 ; C17.2@6941.43,864.06 v1@6909.64,864.06
AI6: C21.2 P3.7 R31.1 U5.3 | length 1474.3
  Top Layer w10: v1(7440,650) 7430,650 7410,670 7410,737.19 7437.81,765 7540,765 7557.39,747.61 7557.39,720.32 U5.3@7560,717.72
  Bottom Layer w10: P3.7@6536.77,315 6536.77,371.77 6575,410 7200,410 7295,505 7295,610 7335,650 C21.2@7410,650 R31.1@7475,650
AI7: C25.2 P3.8 R43.1 U5.10 | length 1573
  Top Layer w10: v1(7660,830) U5.10@7660,932.28
  Bottom Layer w10: P3.8@6674.57,315 6749.57,390 7395,390 7510,505 7510,665 7520,675 7645,675 7680,710 7680,788.28 7674.14,794.14 7655.86,794.14 R43.1@7650,800 ; C25.2@7590,800 R43.1@7650,800 ; v1(7660,830) 7660,808.78 7651.22,800 R43.1@7650,800
AI_O0: C20.2 D4.1 R21.2 U2.14 | length 2152.7
  Top Layer w10: v1(5015,1140) 5045,1170 v1(5800,1170) ; U2.14@5174.33,1908.46 5174.33,1735.67 v1(5230,1680)
  Bottom Layer w10: v1(5015,1140) 5230,1355 v1(5230,1680) ; R21.2@5752.5,854.06 5904.84,854.06 D4.1@5905,853.9 ; v1(5800,1170) 5800,970 5815,955 C20.2@5815,854.06